# Altium PCB carrier_pcb.PcbDoc (part 1 of 3) (continued)
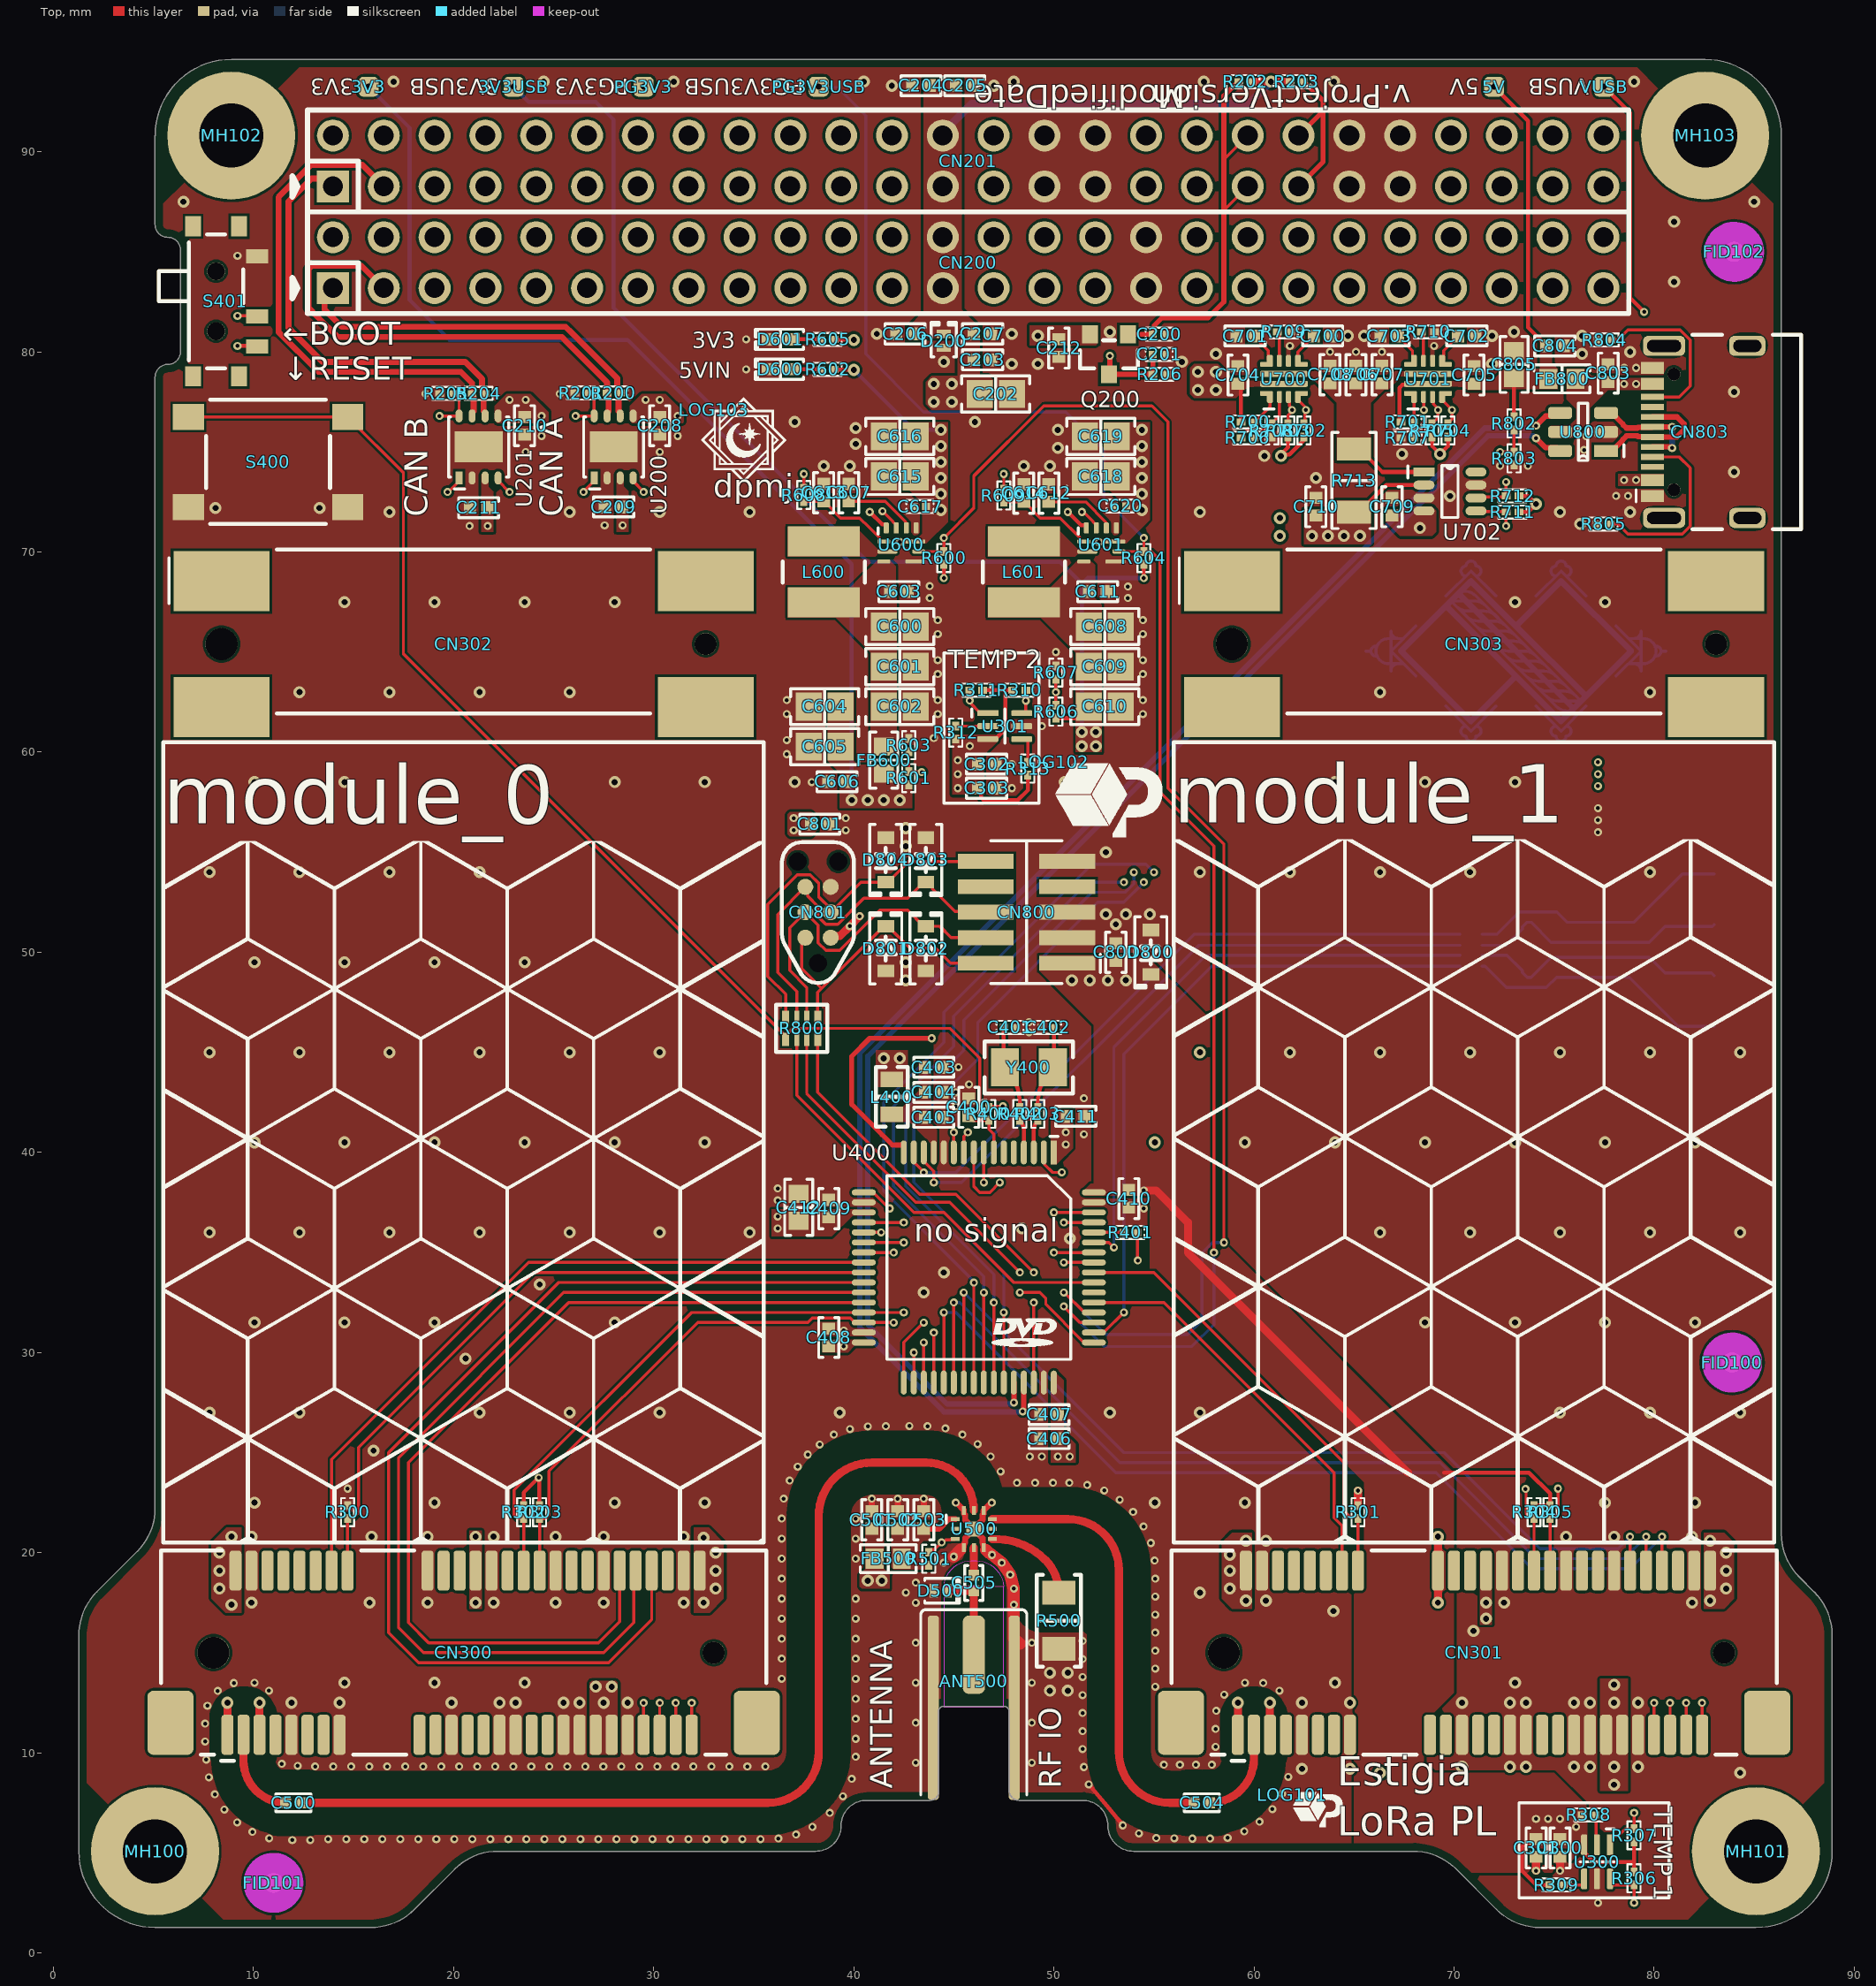
[diagram p0: Top view]
## Components (designator, comment, footprint, x,y, rotation, side; value= is the part's Value field where it differs from the comment)
3V3 "Value" testpoint_via 15.75,93.25 r90 top
3V3USB "Value" testpoint_via 23,93.25 r90 top
5V "Value" testpoint_via 72,93.25 r90 top
ANT500 "CONMMCX013" CONMMCX013 46,14.9 r0 top
C200 "220 pF" "CAP 0201_0603" 55.26,80.88 r180 top
C201 "220 pF" "CAP 0201_0603" 55.26,79.88 r180 top
C202 "47 µF" "CAP 0805_2012" 47.1,77.9 r180 top
C203 "1 µF" "CAP 0402_1005" 46.44,79.6 r180 top
C204 "0.1 µF" "CAP 0402_1005" 43.36,93.3 r0 top
C205 "0.1 µF" "CAP 0402_1005" 45.54,93.3 r180 top
C206 "0.1 µF" "CAP 0402_1005" 42.56,80.9 r0 top
C207 "0.1 µF" "CAP 0402_1005" 46.44,80.9 r180 top
C208 "0.1 µF" "CAP 0402_1005" 30.3,76.31 r90 top
C209 "0.1 µF" "CAP 0402_1005" 28,72.25 r0 top
C210 "0.1 µF" "CAP 0402_1005" 23.55,76.31 r90 top
C211 "0.1 µF" "CAP 0402_1005" 21.25,72.22 r0 top
C212 "0.1 µF" "CAP 0402_1005" 50.25,80.19 r90 top
C300 "0.1 µF" "CAP 0402_1005" 75.3,5.24 r90 top locked
C301 "1 µF" "CAP 0402_1005" 74.1,5.24 r90 top locked
C302 "0.1 µF" "CAP 0402_1005" 46.64,59.4 r180 top locked
C303 "1 µF" "CAP 0402_1005" 46.64,58.2 r180 top locked
C400 "0.1 µF" "CAP 0402_1005" 45.75,42.25 r270 top
C401 "12 pF" "CAP 0201_0603" 47.81,46.25 r180 top
C402 "12 pF" "CAP 0201_0603" 49.69,46.25 r0 top
C403 "1 µF" "CAP 0402_1005" 44,44.25 r180 top
C404 "0.1 µF" "CAP 0402_1005" 44,43 r180 top
C405 "10000 pF" "CAP 0402_1005" 44,41.75 r180 top
C406 "1 µF" "CAP 0402_1005" 49.76,25.7 r0 top
C407 "0.1 µF" "CAP 0402_1005" 49.76,26.9 r0 top
C408 "0.1 µF" "CAP 0402_1005" 38.75,30.75 r270 top
C409 "0.1 µF" "CAP 0402_1005" 38.75,37.19 r270 top
C410 "0.1 µF" "CAP 0402_1005" 53.75,37.69 r90 top
C411 "0.1 µF" "CAP 0402_1005" 51.1,41.8 r180 top
C412 "4.7 µF" "CAP 0603_1608" 37.25,37.25 r270 top
C500 "100 pF" "CAP 0402_1005 RF" 12,7.5 r0 top
C501 "0.1 µF" "CAP 0402_1005" 40.9,21.64 r270 top
C502 "0.1 µF" "CAP 0402_1005" 42.2,21.64 r270 top
C503 "10000 pF" "CAP 0402_1005" 43.5,21.64 r270 top
C504 "100 pF" "CAP 0402_1005 RF" 57.4,7.5 r180 top
C505 "100 pF" "CAP 0402_1005 RF" 46,18.49 r270 top
C600 "22 µF" "CAP 0805_2012" 42.3,66.275 r180 top
C601 "22 µF" "CAP 0805_2012" 42.3,64.275 r180 top
C602 "22 µF" "CAP 0805_2012" 42.3,62.275 r180 top
C603 "0.1 µF" "CAP 0402_1005" 42.25,68.025 r180 top
C604 "22 µF" "CAP 0805_2012" 38.55,62.275 r0 top
C605 "22 µF" "CAP 0805_2012" 38.55,60.275 r0 top
C606 "0.1 µF" "CAP 0402_1005" 39.16,58.525 r0 top
C607 "0.47 µF" "CAP 0402_1005" 39.75,72.965 r270 top
C608 "22 µF" "CAP 0805_2012" 52.55,66.275 r180 top
C609 "22 µF" "CAP 0805_2012" 52.55,64.275 r180 top
C610 "22 µF" "CAP 0805_2012" 52.55,62.275 r180 top
C611 "0.1 µF" "CAP 0402_1005" 52.19,68.025 r180 top
C612 "0.47 µF" "CAP 0402_1005" 49.75,72.94 r270 top
C613 "0.1 µF" "CAP 0402_1005" 38.5,72.965 r270 top
C614 "0.1 µF" "CAP 0402_1005" 48.5,72.94 r270 top
C615 "10 µF" "CAP 0805_2012" 42.3,73.775 r0 top
C616 "10 µF" "CAP 0805_2012" 42.3,75.775 r0 top
C617 "2200 pF" "CAP 0201_0603" 43.31,72.275 r0 top
C618 "10 µF" "CAP 0805_2012" 52.35,73.775 r0 top
C619 "10 µF" "CAP 0805_2012" 52.35,75.775 r0 top
C620 "2200 pF" "CAP 0201_0603" 53.31,72.3 r0 top
C700 "3300 pF" "CAP 0402_1005" 63.44,80.8 r180 top
C701 "2200 pF" "CAP 0402_1005" 59.56,80.8 r0 top
C702 "3300 pF" "CAP 0402_1005" 70.64,80.8 r180 top
C703 "2200 pF" "CAP 0402_1005" 66.76,80.8 r0 top
C704 "0.1 µF" "CAP 0402_1005" 59.2,78.84 r270 top
C705 "0.1 µF" "CAP 0402_1005" 71,78.84 r270 top
C706 "0.1 µF" "CAP 0402_1005" 65.1,78.86 r270 top
C707 "0.1 µF" "CAP 0402_1005" 66.4,78.86 r270 top
C708 "1 µF" "CAP 0402_1005" 63.8,78.86 r270 top
C709 "0.1 µF" "CAP 0402_1005" 66.9,72.26 r270 top
C710 "0.1 µF" "CAP 0402_1005" 63.1,72.26 r270 top
C800 "0.1 µF" "CAP 0402_1005" 53.099,50 r270 top
C801 "0.1 µF" "CAP 0402_1005" 38.3,56.4 r180 top
C802 "0.1 µF" "CAP 0402_1005" 74,57.75 r90 bottom
C803 "0.1 µF" "CAP 0402_1005" 77.7,78.94 r270 top
C804 "0.1 µF" "CAP 0402_1005" 75.04,80.3 r180 top
C805 "4.7 µF" "CAP 0603_1608" 73,79.375 r270 top
CN200 "SAMTEC SSQ-126-04-G-D" "SAMTEC SSQ-126-04-G-D" 13.97,83.19 r0 top locked
CN201 "SAMTEC SSQ-126-04-G-D" "SAMTEC SSQ-126-04-G-D" 13.97,88.27 r0 top locked
CN300 "mPCIe Socket Molex 67910" "MPCIE SOCKET MOLEX 67910" 8,15 r0 top locked
CN301 "mPCIe Socket Molex 67910" "MPCIE SOCKET MOLEX 67910" 58.5,15 r0 top locked
CN302 "mPCIe Latch Molex 48099" "MPCIE LATCH MOLEX 48099" 8.4,65.4 r0 top locked
CN303 "mPCIe Latch Molex 48099" "MPCIE LATCH MOLEX 48099" 58.9,65.4 r0 top locked
CN800 "FTSH-105-L-DV 2x5 1.27mm" "SAMTEC FTSH-105-L-DV" 48.634,52 r90 top locked
CN801 "TC2030-ICD" TC2030-MCP-NL 38.214,52 r90 top locked
CN802 "1x6 2.54mm" "HEADER 1X6 2.54MM" 83,59 r270 bottom
CN803 "USB4105-GF-A" USB4105-GF-A 83.5,76 r90 top locked
D200 "RCLAMP0561PQTCT" 0402 44.5,80.55 r90 top
D500 "LXES15AAA1-153" 0402 44.35,18.1 r0 top
D600 "Green" "LED 0402_1005 GREEN" 36.345,79.125 r180 top
D601 "Yellow" "LED 0402_1005 YELLOW" 36.345,80.625 r180 top
D800 "PESD3V3L1BA,115" SOD323 54.849,50 r270 top
D801 "PESD3V3L1BA,115" SOD323 41.6,50.187 r90 top
D802 "PESD3V3L1BA,115" SOD323 43.6,50.187 r90 top
D803 "PESD3V3L1BA,115" SOD323 43.599,54.612 r270 top
D804 "PESD3V3L1BA,115" SOD323 41.599,54.612 r270 top
D805 "PESD3V3L1BA,115" SOD323 75.75,57.75 r90 bottom
D806 "PESD3V3L1BA,115" SOD323 75.75,52.613 r270 bottom
D807 "PESD3V3L1BA,115" SOD323 73.75,52.613 r270 bottom
D808 "PESD3V3L1BA,115" SOD323 73.75,47.637 r90 bottom
D809 "PESD3V3L1BA,115" SOD323 75.75,47.637 r90 bottom
FB500 "8.5 Ohms @ 100 MHz" "FER 0603_1608" 41.725,19.7 r0 top
FB600 "8.5 Ohms @ 100 MHz" "FER 0603_1608" 41.5,59.6 r270 top
FB800 "8.5 Ohms @ 100 MHz" "FER 0603_1608" 75.4,78.65 r180 top
FID100 "Fiducial Mark" FIDUCIAL_1_3_MM 83.9,29.5 r0 top
FID101 "Fiducial Mark" FIDUCIAL_1_3_MM 11,3.5 r0 top
FID102 "Fiducial Mark" FIDUCIAL_1_3_MM 84,85 r0 top
L400 "100nH" "IND 0603_1608 RF WW" 41.9,42.775 r270 top
L600 "2.2 µH" "BOURNS SRN4018" 38.5,69 r270 top
L601 "2.2 µH" "BOURNS SRN4018" 48.5,69 r270 top
LOG100 "Pluton" logo_pluton 12,31.25 r90 bottom
LOG101 "Pluton iso small" logo_pluton_isotype_small 61.9,7.9 r0 top
LOG102 "Pluton isotype" logo_pluton_isotype 50,59.5 r0 top
LOG103 "AEA" logo_aea 33,77.1 r0 top
LOG104 "UPV" logo_upv 33,29 r90 bottom
LOG105 "MAG large" logo_mag_big 24,30.5 r90 bottom
MH100 "M3" "MH CUBESAT M3" 5.08,5.08 r0 top locked
MH101 "M3" "MH CUBESAT M3" 85.09,5.08 r0 top locked
MH102 "M3" "MH CUBESAT M3" 8.89,90.81 r0 top locked
MH103 "M3" "MH CUBESAT M3" 82.55,90.81 r0 top locked
PG3V3 "Value" testpoint_via 29.5,93.25 r90 top
PG3V3USB "Value" testpoint_via 38.25,93.25 r90 top
Q200 "BSS84-7-F" "DIODES SOT-23-3" 52.75,79.88 r270 top
R200 "120 Ohms" "RES 0201_0603" 28,77.95 r180 top
R201 "100 kOhms" "RES 0201_0603" 26.375,77.95 r0 top
R202 "1 MOhms" "RES 0201_0603" 59.575,93.5 r0 top
R203 "1 MOhms" "RES 0201_0603" 62.125,93.5 r180 top
R204 "120 Ohms" "RES 0201_0603" 21.25,77.92 r180 top
R205 "100 kOhms" "RES 0201_0603" 19.625,77.92 r0 top
R206 "100 kOhms" "RES 0201_0603" 55.275,78.88 r0 top
R300 "10 kOhms" "RES 0201_0603" 14.7,22.025 r270 top
R301 "10 kOhms" "RES 0201_0603" 65.2,22.025 r270 top
R302 "4.7 kOhms" "RES 0201_0603" 23.5,22.025 r90 top
R303 "4.7 kOhms" "RES 0201_0603" 24.3,22.025 r90 top
R304 "4.7 kOhms" "RES 0201_0603" 74,22.025 r90 top
R305 "4.7 kOhms" "RES 0201_0603" 74.8,22.025 r90 top
R306 "4.7 kOhms" "RES 0201_0603" 79,3.725 r90 top locked
R307 "4.7 kOhms" "RES 0201_0603" 79,5.875 r270 top locked
R308 "47 kOhms" "RES 0201_0603" 76.725,6.9 r180 top locked
R309 "12 kOhms" "RES 0201_0603" 75.125,3.4 r180 top locked
R310 "4.7 kOhms" "RES 0201_0603" 48.275,63.1 r180 top locked
R311 "4.7 kOhms" "RES 0201_0603" 46.125,63.1 r0 top locked
R312 "47 kOhms" "RES 0201_0603" 45.1,60.975 r270 top locked
R313 "12 kOhms" "RES 0201_0603" 48.7,59.175 r270 top locked
R400 "10 kOhms" "RES 0201_0603" 46.75,41.925 r90 top
R401 "10 kOhms" "RES 0201_0603" 53.825,36 r180 top
R402 "0 Ohms" "RES 0201_0603" 48.3,41.925 r270 top
R403 "0 Ohms" "RES 0201_0603" 49.2,41.925 r270 top
R500 "49.9 Ohms" "RES 1206_3216" 50.25,16.6 r90 top
R501 "10 kOhms" "RES 0201_0603" 43.753,19.695 r270 top
R600 "100 kOhms" "RES 0201_0603" 44.5,69.7 r270 top
R601 "15.4 kOhms" "RES 0201_0603" 42.75,58.7 r270 top
R602 "1.5 kOhms" "RES 0201_0603" 38.695,79.125 r0 top
R603 "4.87 kOhms" "RES 0201_0603" 42.75,60.35 r270 top
R604 "100 kOhms" "RES 0201_0603" 54.5,69.7 r270 top
R605 "680 Ohms" "RES 0201_0603" 38.695,80.625 r0 top
R606 "15.4 kOhms" "RES 0201_0603" 50.1,62.025 r270 top
R607 "4.87 kOhms" "RES 0201_0603" 50.1,63.975 r270 top
R608 "10 kOhms" "RES 0201_0603" 37.5,72.85 r90 top
R609 "10 kOhms" "RES 0201_0603" 47.5,72.825 r90 top
R700 "470 kOhms" "RES 0201_0603" 59.675,76.5 r180 top
R701 "470 kOhms" "RES 0201_0603" 67.675,76.5 r180 top
R702 "100 kOhms" "RES 0201_0603" 62.5,76.075 r90 top
R703 "100 kOhms" "RES 0201_0603" 61.7,76.075 r90 top
R704 "100 kOhms" "RES 0201_0603" 69.7,76.075 r90 top
R705 "100 kOhms" "RES 0201_0603" 68.9,76.075 r90 top
R706 "10.5 kOhms" "RES 0201_0603" 59.675,75.7 r180 top
R707 "59 kOhms" "RES 0201_0603" 67.675,75.7 r0 top
R708 "47 kOhms" "RES 0201_0603" 60.9,76.075 r90 top
R709 "1.8 kOhms" "RES 0201_0603" 61.5,81 r180 top
R710 "1.8 kOhms" "RES 0201_0603" 68.7,81 r180 top
R711 "4.7 kOhms" "RES 0201_0603" 72.925,72 r0 top
R712 "4.7 kOhms" "RES 0201_0603" 72.925,72.8 r0 top
R713 "10 mOhms" "STACKPOLE CSR1206" 65,73.575 r90 top
R800 "YC124-FR-0749R9L" "RESNET 0804-8 CONVEX" 37.4,46.2 r270 top
R801 "YC124-FR-0749R9L" "RESNET 0804-8 CONVEX" 70.85,50.1 r180 bottom
R802 "430 kOhms" "RES 0201_0603" 73,76.425 r90 top
R803 "620 kOhms" "RES 0201_0603" 73,74.675 r90 top
R804 "5.1 kOhms" "RES 0201_0603" 77.525,80.6 r0 top
R805 "5.1 kOhms" "RES 0201_0603" 77.475,71.4 r0 top
S400 "430152043836" WS-TASV_L6W6H4.3_4301x20438x6 10.725,74.5 r180 top locked
S401 "450404015514" "WURTH WS-SLSU 450404015514" 8.128,82.526 r90 top locked
U200 "MCP2542FDT-E/MF" "DFN-8 3X3MM" 28,75.25 r90 top
U201 "MCP2542FDT-E/MF" "DFN-8 3X3MM" 21.25,75.25 r90 top
U300 "STTS751" UDFN-6L 77.8,5.4 r270 top locked
U301 "STTS751" UDFN-6L 46.7,61.95 r0 top locked
U400 "STM32L496RGT3" LQFP64 50,40 r270 top locked
U500 "SKY13396-397LF" SKY13396-397LF 45.07,21.68 r0 top
U600 "TPS62912" VQFN-HR-TPS6291X 41.625,71.2 r0 top
U601 "TPS62912" VQFN-HR-TPS6291X 51.625,71.2 r0 top
U700 "TPS259470ARPW" VQFN-HR-TPS25947X 61.5,78.65 r90 top
U701 "TPS259470ARPW" VQFN-HR-TPS25947X 68.7,78.65 r90 top
U702 "INA232" SOP-23-8 68.5,74 r0 top locked
U800 "USBLC6-2SC6" SOT23-6L 77.6,75.05 r180 top
VUSB "Value" testpoint_via 77.5,93.25 r90 top
Y400 "32.768 kHz" "ABRACON ABS07" 48.75,44.25 r0 top

## Footprints (in the part's own frame and the unit in brackets; to place one, negate y for a bottom-side part, rotate by r counter-clockwise, add the part's x,y. Pads: shape width x height; smd on the part's side, far side on the other; paste and mask are expansions set on the pad)
0402 [mm] "SODFL, 2-Leads, Body 0.675x1.075mm, IPC Medium Density"
  rect 0.4x0.7 smd: 1(-0.35,0) 2(0.35,0)
  silkscreen extent -0.8,-0.63 0.92,0.63, body extent -0.51,-0.31 0.5,0.3, height 0.45
"ABRACON ABS07" [mm] "Crystal, 2-Leads, Body 3.20x1.50mm, IPC Medium Density"
  rect 1.4x1.9 smd: 1(-1.2,0) 2(1.2,0)
  silkscreen extent -2.2,-1.3 2.2,1.3, body extent -1.62,-0.77 1.63,0.78, height 0.9
"BOURNS SRN4018" [mm] "Power Inductor, 2-Leads, Bourns, SRN4018-220M"
  rect 1.5x3.6 smd: 1(-1.525,0) 2(1.525,0)
  silkscreen extent -0.53,-2.05 0.53,2.05, body extent -2.05,-2.05 2.05,2.05, height 1.8
"CAP 0201_0603" [mm] "Chip Capacitor, 2-Leads, Body 0.60x0.30mm, IPC Medium Density"
  rect 0.4x0.35 smd: 1(-0.31,0) 2(0.31,0)
  silkscreen extent -0.67,-0.33 0.67,0.33, body extent -0.3,-0.15 0.3,0.15, height 0.3
"CAP 0402_1005" [mm] "Chip Capacitor, 2-Leads, Body 1.02x0.51mm, IPC Medium Density"
  rect 0.6x0.64 smd: 1(-0.44,0) 2(0.44,0)
  silkscreen extent -1,-0.5 1,0.5, body extent -0.5,-0.26 0.5,0.26, height 0.52
"CAP 0402_1005 RF" [mm] "Chip Capacitor, 2-Leads, Body 1.02x0.51mm, IPC High Density"
  rect 0.55x0.54 smd: 1(-0.39,0) 2(0.39,0)
  silkscreen extent -0.87,-0.45 0.87,0.45, body extent -0.5,-0.26 0.5,0.26, height 0.52
"CAP 0603_1608" [mm] "Chip Capacitor, 2-Leads, Body 1.60x0.80mm, IPC Medium Density"
  rect 0.9x1 smd: 1(-0.675,0) 2(0.675,0)
  silkscreen extent -1.4,-0.7 1.4,0.7, body extent -0.8,-0.41 0.8,0.41, height 0.82
"CAP 0805_2012" [mm] "Chip Capacitor, 2-Leads, Body 2.00x1.20mm, IPC Medium Density"
  rect 1.3x1.4 smd: 1(-0.8,0) 2(0.8,0)
  silkscreen extent -1.7,-0.9 1.7,0.9, body extent -1,-0.64 1,0.64, height 1.26
CONMMCX013 [mm] "Linx technologies CONMMCX013 MMCX Jack PCB Cutout Edge Mount Connector"
  rrect50% 1.1x3.9 smd: 1(0,0)
  rrect50% 0.55x9.2 smd: 2(-2.025,-2.65) 2(2.025,-2.65)
  silkscreen extent -2.65,-7 2.65,2.25, body extent -2.25,-7.37 2.25,0.13, height 2.15
"DFN-8 3X3MM" [mm] "DFN, 8-Leads, Body 3.00x3.00mm, Pitch 0.65mm, Thermal Pad 1.50x2.0mm, IPC Medium Density"
  rect 1.55x2.4 smd: 0(0,0)
  rect 0.65x0.35 smd: 1(-1.55,0.975)
  oval 0.65x0.35 smd: 2(-1.55,0.325) 3(-1.55,-0.325) 4(-1.55,-0.975) 5(1.55,-0.975) 6(1.55,-0.325) 7(1.55,0.325) 8(1.55,0.975)
  silkscreen extent -2.1,-1.5 1.5,1.5, body extent -1.5,-1.5 1.5,1.5, height 1.05
"DIODES SOT-23-3" [mm] "SOT23, 3-Leads, Body 2.90x2.40mm, Pitch 0.95mm, IPC Medium Density"
  rect 0.9x0.8 smd: 1(-1,0.95) 2(-1,-0.95) 3(1,0)
  silkscreen extent -0.7,-1.45 0.7,1.45, body extent -1.41,-1.45 1.41,1.45, height 1.5
"FER 0603_1608" [mm] "Chip Ferrite, 2-Leads, Body 1.60x0.80mm, IPC Medium Density"
  rect 0.9x1 smd: 1(-0.675,0) 2(0.675,0)
  silkscreen extent -1.4,-0.7 1.4,0.7, body extent -0.8,-0.41 0.8,0.41, height 0.82
FIDUCIAL_1_3_MM [mm]
  round 1 smd mask+1: 0(0,0)
  Top keep-out circle w1.5: c0,0 r0.75
"HEADER 1X6 2.54MM" [mm] "Header 1x6 2.54mm THT for UART"
  rect 1.6x4.65 smd: 1(0,0)
  oval 1.6x4.65 smd: 2(2.54,0) 3(5.08,0) 4(7.62,0) 5(10.16,0) 6(12.7,0)
  silkscreen extent -1.27,-2.54 1.27,2.54
"IND 0603_1608 RF WW" [mm] "Chip Inductor, 2-Leads, Body 1.65x0.99mm, IPC Medium Density"
  rect 0.76x1.13 smd: 1(-0.875,0) 2(0.875,0)
  silkscreen extent -1.5,-0.8 1.5,0.8, body extent -0.84,-0.58 0.83,0.58, height 1
"LED 0402_1005 GREEN" [mm] "Chip Diode, 2-Leads, Body 1.00x0.50mm, IPC Medium Density"
  rect 0.75x0.6 smd: 1(-0.575,0) 2(0.575,0)
  silkscreen extent -1.14,-0.51 1.27,0.51, body extent -0.5,-0.25 0.5,0.25, height 0.21
"LED 0402_1005 YELLOW" [mm] "Chip Diode, 2-Leads, Body 1.00x0.50mm, IPC Medium Density"
  rect 0.75x0.6 smd: 1(-0.575,0) 2(0.575,0)
  silkscreen extent -1.14,-0.51 1.27,0.51, body extent -0.5,-0.25 0.5,0.25, height 0.21
logo_aea [mm]
  silkscreen extent -0.62,-3.63 3.63,0.62
logo_mag_big [mm]
  silkscreen extent 0.07,-9.89 21.88,-1.22
logo_pluton [mm]
  silkscreen extent 0.07,-3.8 20.03,-0.06
logo_pluton_isotype [mm]
  silkscreen extent 0.07,-3.75 5.43,-0.06
logo_pluton_isotype_small [mm]
  silkscreen extent 0.06,-1.61 2.53,0.12
logo_upv [mm]
  silkscreen extent 0,-8 25,-0.09
LQFP64 [mm]
  rect 1.2x0.3 smd: 1(0,0)
  oval 1.2x0.3 smd: 2(0,-0.5) 3(0,-1) 4(0,-1.5) 5(0,-2) 6(0,-2.5) 7(0,-3) 8(0,-3.5) 9(0,-4) 10(0,-4.5) 11(0,-5) 12(0,-5.5) 13(0,-6) 14(0,-6.5) 15(0,-7) 16(0,-7.5) 33(11.5,-7.5) 34(11.5,-7) 35(11.5,-6.5) 36(11.5,-6) 37(11.5,-5.5) 38(11.5,-5) 39(11.5,-4.5) 40(11.5,-4) 41(11.5,-3.5) 42(11.5,-3) 43(11.5,-2.5) 44(11.5,-2) 45(11.5,-1.5) 46(11.5,-1) 47(11.5,-0.5) 48(11.5,0)
  oval 0.3x1.2 smd: 17(2,-9.5) 18(2.5,-9.5) 19(3,-9.5) 20(3.5,-9.5) 21(4,-9.5) 22(4.5,-9.5) 23(5,-9.5) 24(5.5,-9.5) 25(6,-9.5) 26(6.5,-9.5) 27(7,-9.5) 28(7.5,-9.5) 29(8,-9.5) 30(8.5,-9.5) 31(9,-9.5) 32(9.5,-9.5) 49(9.5,2) 50(9,2) 51(8.5,2) 52(8,2) 53(7.5,2) 54(7,2) 55(6.5,2) 56(6,2) 57(5.5,2) 58(5,2) 59(4.5,2) 60(4,2) 61(3.5,2) 62(3,2) 63(2.5,2) 64(2,2)
  silkscreen extent -0.8,-8.34 10.34,0.84, body extent -0.25,-9.75 11.75,2.25, height 1.56
"MH CUBESAT M3" [mm]
  round 6.4 hole 3.2: 1(0,0)
"MPCIE LATCH MOLEX 48099" [mm]
  rect 4.8x3 smd paste+0 mask+0: 1(0,-3.15) 1(0,3.15) 1(24.2,-3.15) 1(24.2,3.15)
  round 1.6 hole 1.6 unplated paste-2539.97 mask+0: ""(0,0)
  round 1.1 hole 1.1 unplated paste-2539.97 mask+0: ""(24.2,0)
  silkscreen extent -2.63,-3.47 21.43,4.72, body extent -2.12,-4.2 26.33,5.16, height 4.85
"MPCIE SOCKET MOLEX 67910" [mm] "MPCIE Socket Molex 67910"
  rrect25% 2.3x3.2 smd: 0(-2.15,-3.5) 0(27.15,-3.5)
  rrect50% 0.6x2 smd: 1(0.7,-4.1) 2(1.1,4.1) 3(1.5,-4.1) 4(1.9,4.1) 5(2.3,-4.1) 6(2.7,4.1) 7(3.1,-4.1) 8(3.5,4.1) 9(3.9,-4.1) 10(4.3,4.1) 11(4.7,-4.1) 12(5.1,4.1) 13(5.5,-4.1) 14(5.9,4.1) 15(6.3,-4.1) 16(6.7,4.1) 17(10.3,-4.1) 18(10.7,4.1) 19(11.1,-4.1) 20(11.5,4.1) 21(11.9,-4.1) 22(12.3,4.1) 23(12.7,-4.1) 24(13.1,4.1) 25(13.5,-4.1) 26(13.9,4.1) 27(14.3,-4.1) 28(14.7,4.1) 29(15.1,-4.1) 30(15.5,4.1) 31(15.9,-4.1) 32(16.3,4.1) 33(16.7,-4.1) 34(17.1,4.1) 35(17.5,-4.1) 36(17.9,4.1) 37(18.3,-4.1) 38(18.7,4.1) 39(19.1,-4.1) 40(19.5,4.1) 41(19.9,-4.1) 42(20.3,4.1) 43(20.7,-4.1) 44(21.1,4.1) 45(21.5,-4.1) 46(21.9,4.1) 47(22.3,-4.1) 48(22.7,4.1) 49(23.1,-4.1) 50(23.5,4.1) 51(23.9,-4.1) 52(24.3,4.1)
  round 1.6 hole 1.6 unplated paste-2539.97 mask+0: ""(0,0)
  round 1.1 hole 1.1 unplated paste-2539.97 mask+0: ""(25,0)
  silkscreen extent -2.62,-5.4 27.62,5.1, body extent -2.5,-5.1 27.5,5.1, height 4.1
"RES 0201_0603" [mm] "Chip Resistor, 2-Leads, Body 0.60x0.30mm, IPC Medium Density"
  rect 0.44x0.35 smd: 1(-0.325,0) 2(0.325,0)
  silkscreen extent -0.7,-0.33 0.7,0.33, body extent -0.3,-0.15 0.3,0.15, height 0.21
"RES 1206_3216" [mm] "Chip Resistor, 2-Leads, Body 3.13x1.55mm, IPC Medium Density"
  rect 1.2x1.65 smd: 1(-1.4,0) 2(1.4,0)
  silkscreen extent -2.3,-1.1 2.3,1.1, body extent -1.6,-0.8 1.6,0.8, height 0.6
"RESNET 0804-8 CONVEX" [mm] "4 resistor 2.0x1.0mm, 0.65mm high"
  rect 0.65x0.35 smd: 1(-0.55,0.8) 4(-0.55,-0.8) 5(0.55,-0.8) 8(0.55,0.8)
  rect 0.65x0.25 smd: 2(-0.55,0.25) 3(-0.55,-0.25) 6(0.55,-0.25) 7(0.55,0.25)
  silkscreen extent -1.17,-1.28 1.17,1.28, body extent -0.53,-1.02 0.53,1.03, height 0.56
"SAMTEC FTSH-105-L-DV" [mm] "Samtec ftsh-105-l-dv"
  rect 0.74x2.79 smd paste+0 mask+0: 1(-2.54,-2.035) 2(-2.54,2.035) 3(-1.27,-2.035) 4(-1.27,2.035) 5(0,-2.035) 6(0,2.035) 7(1.27,-2.035) 8(1.27,2.035) 9(2.54,-2.035) 10(2.54,2.035)
  silkscreen extent -3.56,-3.7 3.56,1.78, body extent -3.17,-2.92 3.17,2.92, height 6.11
"SAMTEC SSQ-126-04-G-D" [mm] "THROUGH-HOLE .025\" SQ POST SOCKET (2.54 mm) .100\" PITCH, SSW/SSQ SERIES"
  rect 1.6x1.6 hole 1: 1(0,0)
  round 1.6 hole 1: 2(0,2.54) 3(2.54,0) 4(2.54,2.54) 5(5.08,0) 6(5.08,2.54) 7(7.62,0) 8(7.62,2.54) 9(10.16,0) 10(10.16,2.54) 11(12.7,0) 12(12.7,2.54) 13(15.24,0) 14(15.24,2.54) 15(17.78,0) 16(17.78,2.54) 17(20.32,0) 18(20.32,2.54) 19(22.86,0) 20(22.86,2.54) 21(25.4,0) 22(25.4,2.54) 23(27.94,0) 24(27.94,2.54) 25(30.48,0) 26(30.48,2.54) 27(33.02,0) 28(33.02,2.54) 29(35.56,0) 30(35.56,2.54) 31(38.1,0) 32(38.1,2.54) 33(40.64,0) 34(40.64,2.54) 35(43.18,0) 36(43.18,2.54) 37(45.72,0) 38(45.72,2.54) 39(48.26,0) 40(48.26,2.54) 41(50.8,0) 42(50.8,2.54) 43(53.34,0) 44(53.34,2.54) 45(55.88,0) 46(55.88,2.54) 47(58.42,0) 48(58.42,2.54) 49(60.96,0) 50(60.96,2.54) 51(63.5,0) 52(63.5,2.54)
  silkscreen extent -2.03,-1.27 64.77,3.81, body extent -1.52,-1.21 65.02,3.75, height 8.51
SKY13396-397LF [mm]
  rrect50% 0.76x0.76 smd: 0(0.93,-0.5)
  rect 0.44x0.2 smd: 1(0,0) 2(0,-0.5) 3(0,-1) 7(1.86,-1) 8(1.86,-0.5) 9(1.86,0)
  rect 0.2x0.44 smd: 4(0.43,-1.43) 5(0.93,-1.43) 6(1.43,-1.43) 10(1.43,0.43) 11(0.93,0.43) 12(0.43,0.43)
  silkscreen extent -0.45,-0.2 -0.45,0.2, body extent -0.08,-1.5 1.93,0.5, height 0.61
SOD323 [mm] "SOD, 2-Leads, Body 1.25x2.50mm, IPC Medium Density"
  rect 0.625x0.83 smd: 1(-1.112,0) 2(1.112,0)
  silkscreen extent -1.78,-0.8 1.78,0.8, body extent -1.36,-0.62 1.36,0.62, height 1.05
SOP-23-8 [mm]
  rect 1.05x0.45 smd: 1(0,0)
  oval 1.05x0.45 smd: 2(0,-0.65) 3(0,-1.3) 4(0,-1.95) 5(2.6,-1.95) 6(2.6,-1.3) 7(2.6,-0.65) 8(2.6,0)
  silkscreen extent -0.8,-2.28 1.7,0.33, body extent -0.1,-2.45 2.7,0.45, height 1.1
SOT23-6L [mm]
  rect 1.2x0.6 smd: 1(0,0)
  rrect50% 1.2x0.6 smd: 2(0,-0.95) 3(0,-1.9) 4(2.3,-1.9) 5(2.3,-0.95) 6(2.3,0)
  silkscreen extent -0.9,-2.38 1.39,0.48, body extent -0.25,-2.41 2.55,0.51, height 1.45
"STACKPOLE CSR1206" [mm] "Chip Resistor, 2-Leads, Body 3.13x1.55mm, IPC Medium Density"
  rect 1.15x1.7 smd: 1(-1.575,0) 2(1.575,0)
  silkscreen extent -2.4,-1.1 2.4,1.1, body extent -1.6,-0.78 1.6,0.77, height 0.55
TC2030-MCP-NL [mm] "Conector ICD en placa"
  round 0.8 smd paste-0.4: 1(-1.27,-0.635) 2(-1.27,0.635) 3(0,-0.635) 4(0,0.635) 5(1.27,-0.635) 6(1.27,0.635)
  round 0.85 hole 0.9 unplated mask+0: ""(-2.54,0) ""(2.54,-1.016) ""(2.54,1.016)
  silkscreen extent -3.54,-1.8 3.5,1.8, body extent -3.54,-1.8 3.5,1.8
testpoint_via [mm] "top & bottom testpoint with a via"
  rrect50% 1x1 hole 0.3: 0(0,0)
UDFN-6L [mm]
  rect 1.05x0.3 smd: 1(0,0)
  rrect50% 1.05x0.3 smd: 2(0,-0.65) 3(0,-1.3) 4(1.7,-1.3) 5(1.7,-0.65) 6(1.7,0)
  silkscreen extent -0.8,-1.5 0.85,0.2, body extent -0.15,-1.65 1.85,0.35, height 0.6
USB4105-GF-A [mm] "USB4105-GF-A"
  rect 0.6x1.15 smd paste+0 mask+0: A1-B12(-3.2,3.59) A4-B9(-2.4,3.59) B1-A12(3.2,3.59) B4-A9(2.4,3.59)
  rect 0.3x1.15 smd paste+0 mask+0: A5(-1.25,3.59) A6(-0.25,3.59) A7(0.25,3.59) A8(1.25,3.59) B5(1.75,3.59) B6(0.75,3.59) B7(-0.75,3.59) B8(-1.75,3.59)
  rrect50% 1x1.8 hole 0.6 slot 1.4 at 90 deg: S(-4.3,-1.16) S(4.3,-1.16)
  rrect50% 1x2.1 hole 0.6 slot 1.7 at 90 deg: S(-4.3,3) S(4.3,3)
  round 0.65 hole 0.65 unplated paste-2539.97 mask+0: ""(-2.89,2.515) ""(2.89,2.515)
  silkscreen extent -4.86,-3.84 4.86,4.4, body extent -4.96,-3.94 4.96,4.27, height 0.25
VQFN-HR-TPS6291X [mm]
  rrect50% 0.65x0.2 smd: 1(-0.125,-0.675) 3(-0.125,-1.675) 5(1.625,-1.175)